# Altium PCB 2019.06.16.master.PcbDoc (part 1 of 5) (continued)
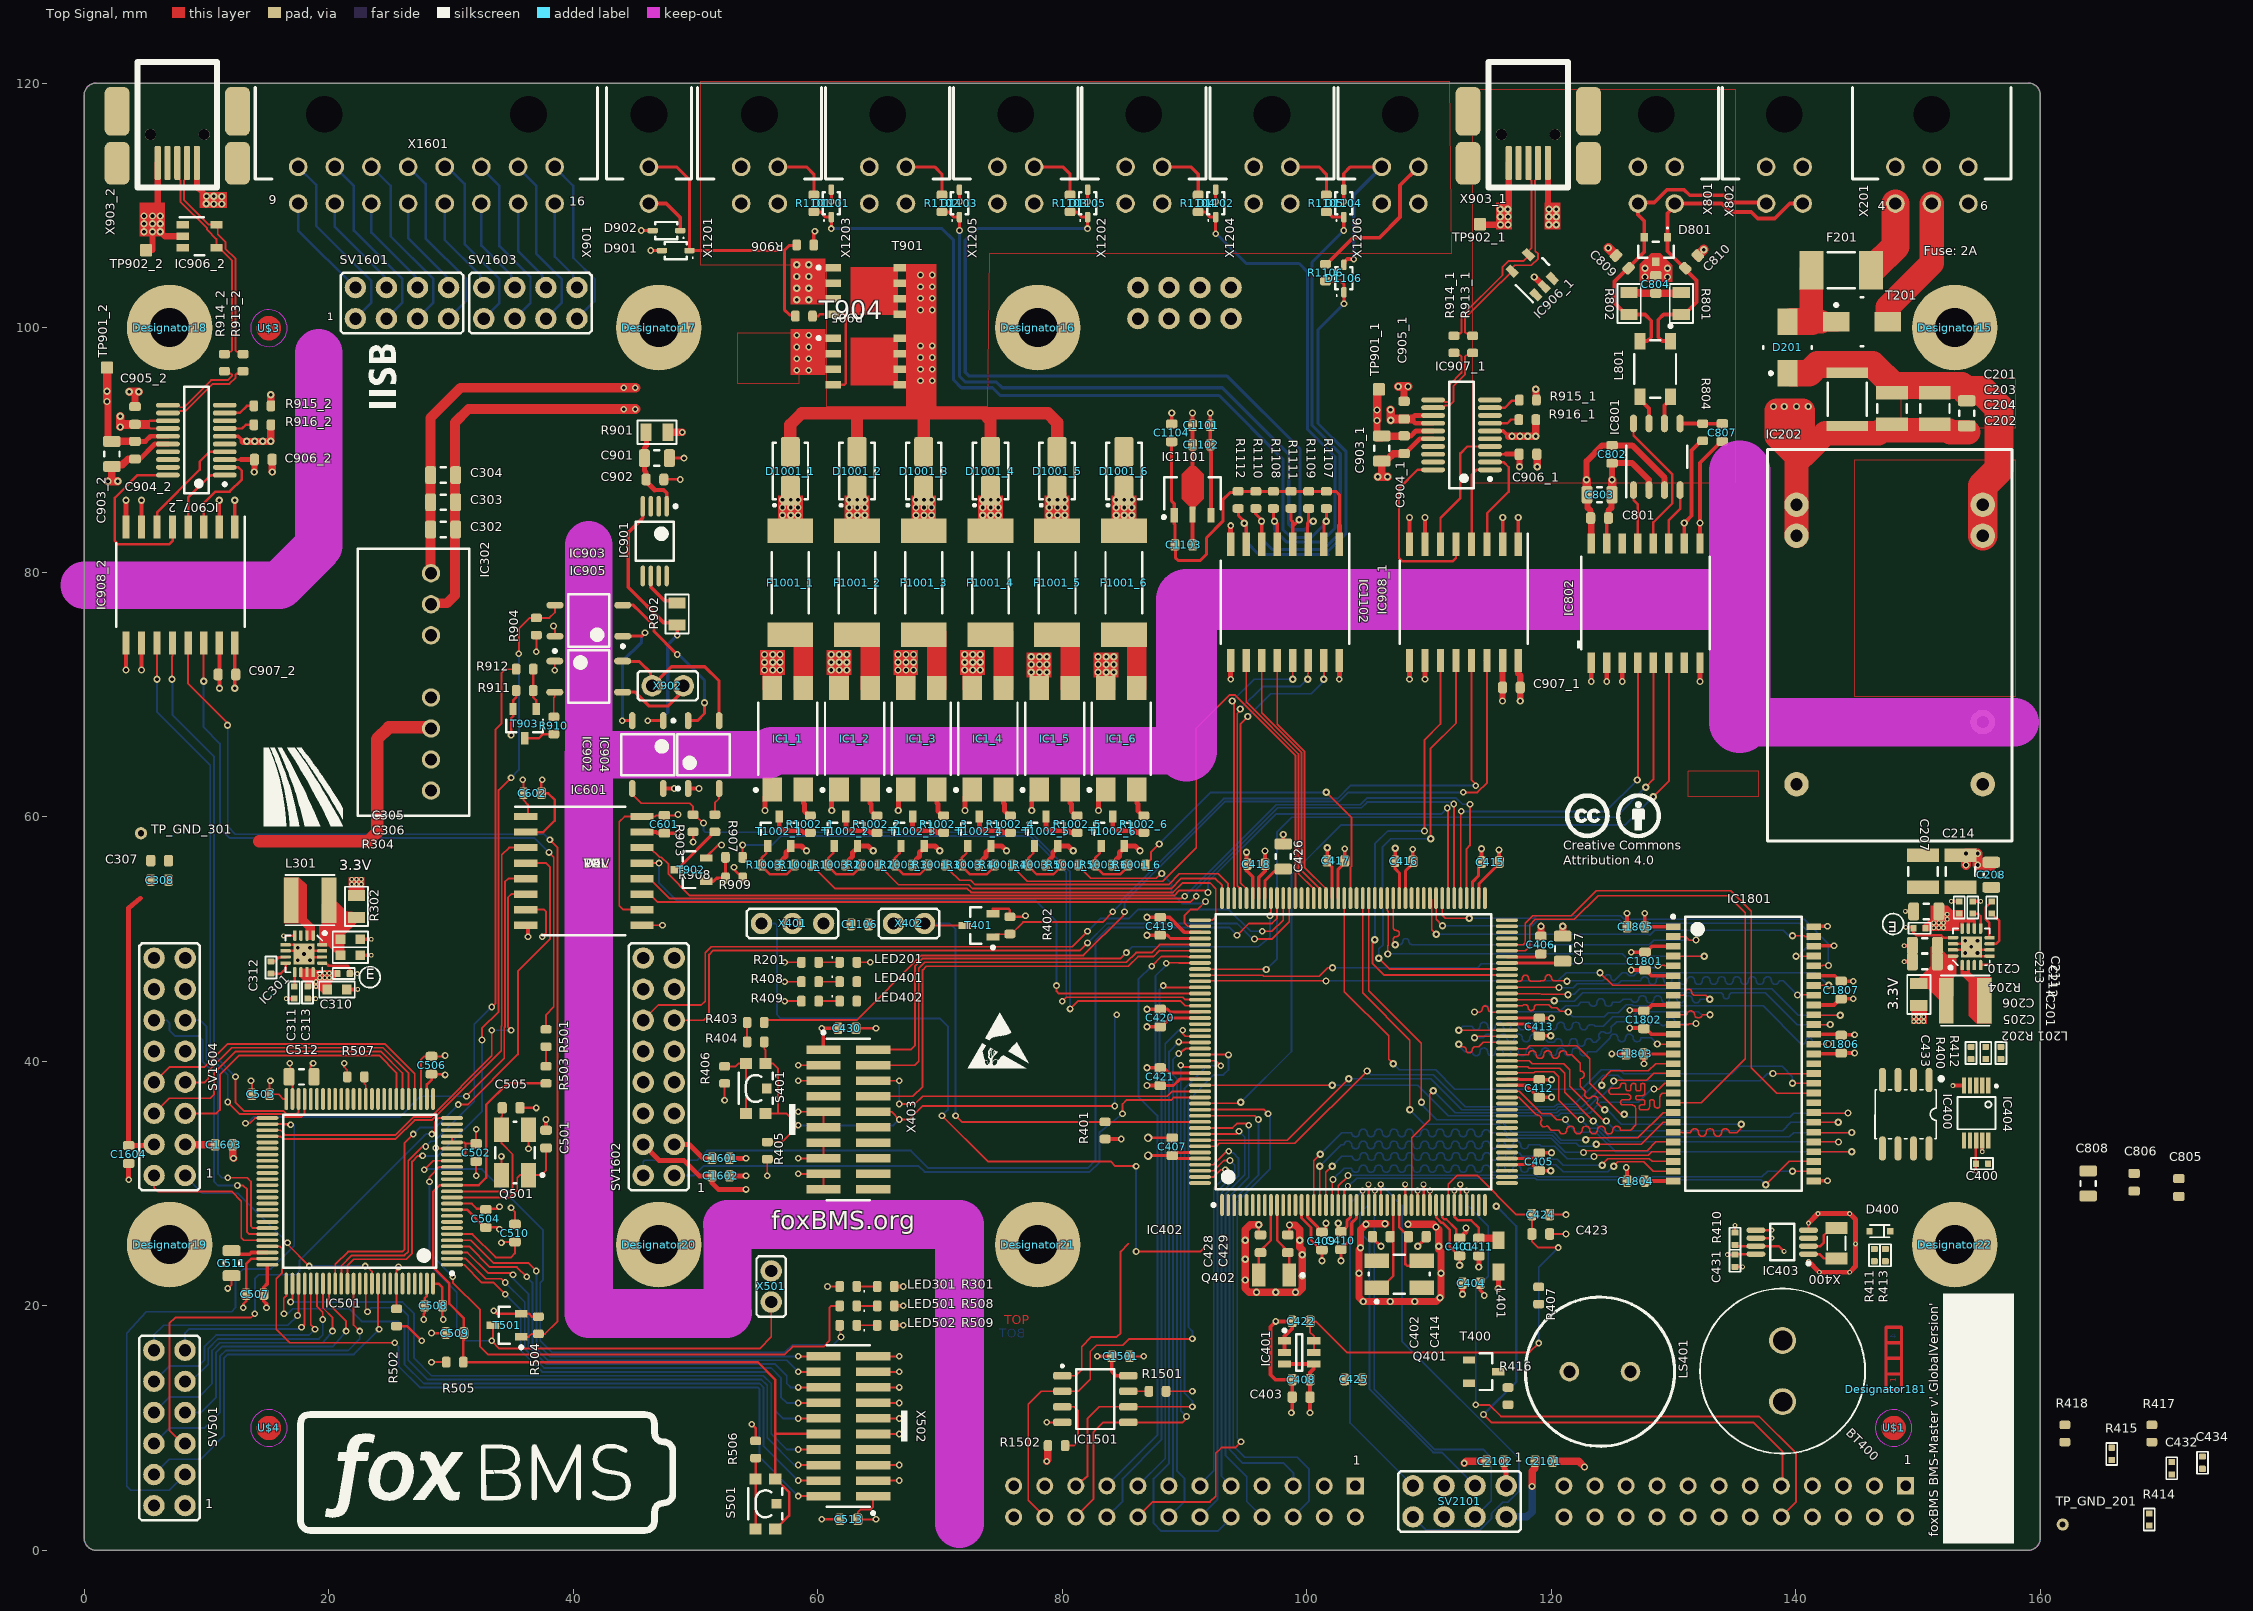
[diagram p0: Top Signal view]
## Classes and differential pairs
differential pair class USB_DP: D_1 D_2 U_1 U_2
channel class contactor_single: CON0 CON1 CON2 CON3 CON4 CON5
component class CON5: D1001_6 F1001_6 IC1_6 R1001_6 R1002_6 R1003_6 T1002_6
component class CON4: D1001_5 F1001_5 IC1_5 R1001_5 R1002_5 R1003_5 T1002_5
component class CON3: D1001_4 F1001_4 IC1_4 R1001_4 R1002_4 R1003_4 T1002_4
component class CON2: D1001_3 F1001_3 IC1_3 R1001_3 R1002_3 R1003_3 T1002_3
component class CON1: D1001_2 F1001_2 IC1_2 R1001_2 R1002_2 R1003_2 T1002_2
component class CON0: D1001_1 F1001_1 IC1_1 R1001_1 R1002_1 R1003_1 T1002_1
channel class isolated_usb_single: USB0 USB1
component class USB1: C903_2 C904_2 C905_2 C906_2 C907_2 IC906_2 IC907_2 IC908_2 R913_2 R914_2 R915_2 R916_2 TP901_2 TP902_2 X903_2
component class USB0: C903_1 C904_1 C905_1 C906_1 C907_1 IC906_1 IC907_1 IC908_1 R913_1 R914_1 R915_1 R916_1 TP901_1 TP902_1 X903_1
net class FMC.UDQ: FMC_MCU_0_RAM_D0 FMC_MCU_0_RAM_D1 FMC_MCU_0_RAM_D2 FMC_MCU_0_RAM_D3 FMC_MCU_0_RAM_D4 FMC_MCU_0_RAM_D5 FMC_MCU_0_RAM_D6 FMC_MCU_0_RAM_D7 FMC_MCU_0_RAM_D8 FMC_MCU_0_RAM_D9 FMC_MCU_0_RAM_D10 FMC_MCU_0_RAM_D11 FMC_MCU_0_RAM_D12 FMC_MCU_0_RAM_D13 FMC_MCU_0_RAM_D14 FMC_MCU_0_RAM_D15
net class FMC.SDRAM: FMC_MCU_0_RAM_A0 FMC_MCU_0_RAM_A1 FMC_MCU_0_RAM_A2 FMC_MCU_0_RAM_A3 FMC_MCU_0_RAM_A4 FMC_MCU_0_RAM_A5 FMC_MCU_0_RAM_A6 FMC_MCU_0_RAM_A7 FMC_MCU_0_RAM_A8 FMC_MCU_0_RAM_A9 FMC_MCU_0_RAM_A10 FMC_MCU_0_RAM_A11 FMC_MCU_0_RAM_BA0 FMC_MCU_0_RAM_BA1 FMC_MCU_0_RAM_D0 FMC_MCU_0_RAM_D1 FMC_MCU_0_RAM_D2 FMC_MCU_0_RAM_D3 FMC_MCU_0_RAM_D4 FMC_MCU_0_RAM_D5 FMC_MCU_0_RAM_D6 FMC_MCU_0_RAM_D7 FMC_MCU_0_RAM_D8 FMC_MCU_0_RAM_D9 FMC_MCU_0_RAM_D10 FMC_MCU_0_RAM_D11 FMC_MCU_0_RAM_D12 FMC_MCU_0_RAM_D13 FMC_MCU_0_RAM_D14 FMC_MCU_0_RAM_D15 FMC_MCU_0_RAM_NBL0 FMC_MCU_0_RAM_NBL1 FMC_MCU_0_RAM_SDCKE1 FMC_MCU_0_RAM_SDCLK FMC_MCU_0_RAM_SDNCAS FMC_MCU_0_RAM_SDNE1 FMC_MCU_0_RAM_SDNRAS FMC_MCU_0_RAM_SDNWE
net class FMC.LDQ: FMC_MCU_0_RAM_D0 FMC_MCU_0_RAM_D1 FMC_MCU_0_RAM_D2 FMC_MCU_0_RAM_D3 FMC_MCU_0_RAM_D4 FMC_MCU_0_RAM_D5 FMC_MCU_0_RAM_D6 FMC_MCU_0_RAM_D7 FMC_MCU_0_RAM_D8 FMC_MCU_0_RAM_D9 FMC_MCU_0_RAM_D10 FMC_MCU_0_RAM_D11 FMC_MCU_0_RAM_D12 FMC_MCU_0_RAM_D13 FMC_MCU_0_RAM_D14 FMC_MCU_0_RAM_D15
net class FMC.DQM: FMC_MCU_0_RAM_D0 FMC_MCU_0_RAM_D1 FMC_MCU_0_RAM_D2 FMC_MCU_0_RAM_D3 FMC_MCU_0_RAM_D4 FMC_MCU_0_RAM_D5 FMC_MCU_0_RAM_D6 FMC_MCU_0_RAM_D7 FMC_MCU_0_RAM_D8 FMC_MCU_0_RAM_D9 FMC_MCU_0_RAM_D10 FMC_MCU_0_RAM_D11 FMC_MCU_0_RAM_D12 FMC_MCU_0_RAM_D13 FMC_MCU_0_RAM_D14 FMC_MCU_0_RAM_D15
net class FMC.CNTRL: FMC_MCU_0_RAM_NBL0 FMC_MCU_0_RAM_NBL1 FMC_MCU_0_RAM_SDCKE1 FMC_MCU_0_RAM_SDCLK FMC_MCU_0_RAM_SDNE1
net class FMC.CMD: FMC_MCU_0_RAM_SDNCAS FMC_MCU_0_RAM_SDNRAS FMC_MCU_0_RAM_SDNWE
net class FMC.ADR: FMC_MCU_0_RAM_A0 FMC_MCU_0_RAM_A1 FMC_MCU_0_RAM_A2 FMC_MCU_0_RAM_A3 FMC_MCU_0_RAM_A4 FMC_MCU_0_RAM_A5 FMC_MCU_0_RAM_A6 FMC_MCU_0_RAM_A7 FMC_MCU_0_RAM_A8 FMC_MCU_0_RAM_A9 FMC_MCU_0_RAM_A10 FMC_MCU_0_RAM_A11 FMC_MCU_0_RAM_BA0 FMC_MCU_0_RAM_BA1
net class ISO_MCU_USB: D_1_N D_1_P D_2_N D_2_P ISO_FTDI_DTR_1 ISO_FTDI_DTR_2 ISO_FTDI_RTS_1 ISO_FTDI_RTS_2 ISO_FTDI_RX_1 ISO_FTDI_RX_2 ISO_FTDI_TX_1 ISO_FTDI_TX_2 NetIC907_1_7 NetIC907_1_9 NetIC907_2_7 NetIC907_2_9 NetIC1401_1 NetIC1401_3 NetIC1402_5 NetIC1402_8 NetIC1402_10 NetIC1402_17 NetIC1402_18 NetIC1402_19 NetX1401_4 NetX1401_6 NetX1401_7 NetX1401_8 NetX1401_9 U_1_N U_1_P U_2_N U_2_P USB_+3.3V_1 USB_+3.3V_2 USB_GND_1 USB_GND_2 USB_VBUS_1 USB_VBUS_2
net class ISO_MCU: +3.3V_0 +3.3V_0_IN +3.3V_1 +5.0V_0 CAN_0_RX CAN_0_TRANS_STANDBY_CONTROL CAN_0_TX CAN_GND_INT EN_3.3_0 FQ_3.3_0 FTDI_MCU_0_DTR FTDI_MCU_0_RTS FTDI_MCU_0_RX FTDI_MCU_0_TX FTDI_MCU_1_DTR FTDI_MCU_1_RTS FTDI_MCU_1_RX FTDI_MCU_1_TX GND_1 MCU_0_NRESET MCU_TO_MCU_INTERFACE_MCU_0_CS MCU_TO_MCU_INTERFACE_MCU_0_MISO MCU_TO_MCU_INTERFACE_MCU_0_MOSI MCU_TO_MCU_INTERFACE_MCU_0_SCK NetC211_1 NetC212_1 NetC212_2 NetIC201_1 NetIC802_4 NetIC802_6 NetLED201_1
net class ISO_MCU_SEC: +3.3V_1 BMS-INTERFACE_1_GPIO_0 BMS-INTERFACE_1_GPIO_1 BMS-INTERFACE_1_GPIO_2 BMS-INTERFACE_1_GPIO_3 BMS-INTERFACE_1_SPI_CS BMS-INTERFACE_1_SPI_MISO BMS-INTERFACE_1_SPI_MOSI BMS-INTERFACE_1_SPI_SCK BOOT_0_MCU_1 CAN_0_MCU_1_RX CAN_0_MCU_1_TX DEBUG_LED_0_MCU_1 DEBUG_LED_1_MCU_1 FTDI_MCU_1_DTR FTDI_MCU_1_RTS FTDI_MCU_1_RX FTDI_MCU_1_TX GND_1 GPIO_MCU_1_0 GPIO_MCU_1_1 GPIO_MCU_1_2 GPIO_MCU_1_3 GPIO_MCU_1_4 GPIO_MCU_1_5 HSE_1_MCU_1 HSE_2_MCU_1 INTERLOCK_CONTROL_MCU_1 INTERLOCK_FEEDBACK_MCU_1 MCU_1_NRESET MCU_1_SWCLK MCU_1_SWDIO MCU_1_SWO MCU_1_TDI MCU_TO_MCU_INTERFACE_MCU_1_CS MCU_TO_MCU_INTERFACE_MCU_1_MISO MCU_TO_MCU_INTERFACE_MCU_1_MOSI MCU_TO_MCU_INTERFACE_MCU_1_SCK NetC511_1 NetC512_1 NetIC501_37 NetLED501_1 NetLED502_1 NetR501_1 NetR506_2 TRACECLK_MCU_1 TRACED0_MCU_1 TRACED1_MCU_1 TRACED2_MCU_1 TRACED3_MCU_1 USART_MCU_1_RX USART_MCU_1_TX
net class ISO_EXT: CAN_0_H CAN_0_H_INT CAN_0_ISO_RXD CAN_0_ISO_STB CAN_0_ISO_TXD CAN_0_L CAN_0_L_INT CAN_0_SPLIT CAN_0_VIO CAN_GND CAN_VCC GND_EXT_0 GND_EXT_2 NetD201_2 NetF201_1 NetIC702_6 NetX801_2 SUPPLY_EXT_0 SUPPLY_EXT_2
net class CAN_0: CAN_0_H CAN_0_H_INT CAN_0_ISO_RXD CAN_0_ISO_STB CAN_0_ISO_TXD CAN_0_L CAN_0_L_INT CAN_0_SPLIT CAN_0_VIO CAN_GND CAN_VCC NetX801_2
component class U_0405_ext_bootload_activation: R401 R402 T401 X402
component class U_0404_debug_LED: LED401 LED402 R408 R409
component class U_0403_crystals: C402 C414 C428 C429 Q401 Q402
component class U_0402_analog_supply_decoupling: C404 C411 L401
component class U_0401_adc_reference: C403 C408 C422 IC401
component class U_0400_power: BT400 C400 C401 C405 C406 C407 C409 C410 C412 C413 C415 C416 C417 C418 C419 C420 C421 C423 C424 C431 C432 C433 C434 D400 IC400 IC403 IC404 R400 R410 R411 R412 R413 X400
component class U_18_connector_to_BMS_extension: JP2201 JP2202
component class U_17_FPGA_SPI_interface: C2101 C2102 SV2101
component class U_16_8MB_SDRAM: C1801 C1802 C1803 C1804 C1805 C1806 C1807 IC1801
component class U_15_bms-interface_interface: C1601 C1602 C1603 C1604 SV1601 SV1602 SV1603 SV1604 X1601
component class U_14_EEPROM: C1501 IC1501 R1501 R1502
component class U_12_contactor_connectors: X1201 X1202 X1203 X1204 X1205 X1206
component class U_11_contactor_feedback: C1101 C1102 C1103 C1104 C1106 D1101 D1102 D1103 D1104 D1105 D1106 IC1101 IC1102 R1101 R1102 R1103 R1104 R1105 R1106 R1107 R1108 R1109 R1110 R1111 R1112
component class U_09_interlock_circuit: C901 C902 D901 D902 IC901 IC902 IC903 IC904 IC905 R901 R902 R903 R904 R905 R906 R907 R908 R909 R910 R911 R912 SV901 T901 T902 T903 T904 X901 X902
component class U_08_CAN0: C801 C802 C803 C804 C805 C806 C807 C808 C809 C810 D801 IC801 IC802 L801 R801 R802 R804 X801 X802
component class U_06_mcu0_to_mcu1_isolated_SPI: C601 C602 IC601
component class U_05_mcu1_secondary: C501 C502 C503 C504 C505 C506 C507 C508 C509 C510 C511 C512 C513 IC501 LED501 LED502 Q501 R501 R502 R503 R504 R505 R506 R507 R508 R509 S501 SV501 T501 X501 X502
component class U_04_mcu0_primary: C425 C426 C427 C430 IC402 LS401 R403 R404 R405 R406 R407 R414 R415 R416 R417 R418 S401 T400 X401 X403
component class U_03_supply1: C302 C303 C304 C305 C306 C307 C308 C310 C311 C312 C313 IC301 IC302 L301 LED301 R301 R302 R304 TP_GND_301
component class U_02_supply0: C201 C202 C204 C205 C206 C207 C208 C210 C211 C212 C213 C214 D201 F201 IC201 IC202 L201 LED201 R201 R202 R204 T201 TP_GND_201 X201
net class BMS-INTERFACE_1_GPIO_[0..3]: BMS-INTERFACE_1_GPIO_0 BMS-INTERFACE_1_GPIO_1 BMS-INTERFACE_1_GPIO_2 BMS-INTERFACE_1_GPIO_3
net class BMS-INTERFACE_0_GPIO_[0..3]: BMS-INTERFACE_0_GPIO_0 BMS-INTERFACE_0_GPIO_1 BMS-INTERFACE_0_GPIO_2 BMS-INTERFACE_0_GPIO_3
net class ADC_MCU_0_CH_[0..4]: ADC_MCU_0_CH_0 ADC_MCU_0_CH_1 ADC_MCU_0_CH_2 ADC_MCU_0_CH_3 ADC_MCU_0_CH_4
net class FMC_MCU_0_RAM_NBL[0..1]: FMC_MCU_0_RAM_NBL0 FMC_MCU_0_RAM_NBL1
net class FMC_MCU_0_RAM_D[0..15]: FMC_MCU_0_RAM_D0 FMC_MCU_0_RAM_D1 FMC_MCU_0_RAM_D2 FMC_MCU_0_RAM_D3 FMC_MCU_0_RAM_D4 FMC_MCU_0_RAM_D5 FMC_MCU_0_RAM_D6 FMC_MCU_0_RAM_D7 FMC_MCU_0_RAM_D8 FMC_MCU_0_RAM_D9 FMC_MCU_0_RAM_D10 FMC_MCU_0_RAM_D11 FMC_MCU_0_RAM_D12 FMC_MCU_0_RAM_D13 FMC_MCU_0_RAM_D14 FMC_MCU_0_RAM_D15
net class FMC_MCU_0_RAM_BA[0..1]: FMC_MCU_0_RAM_BA0 FMC_MCU_0_RAM_BA1
net class FMC_MCU_0_RAM_A[0..11]: FMC_MCU_0_RAM_A0 FMC_MCU_0_RAM_A1 FMC_MCU_0_RAM_A2 FMC_MCU_0_RAM_A3 FMC_MCU_0_RAM_A4 FMC_MCU_0_RAM_A5 FMC_MCU_0_RAM_A6 FMC_MCU_0_RAM_A7 FMC_MCU_0_RAM_A8 FMC_MCU_0_RAM_A9 FMC_MCU_0_RAM_A10 FMC_MCU_0_RAM_A11
polygon class PolygonThermal_OFF: GND_EXT_0_L02_P055 Polygon_1_Net_+3.3V_0 Polygon_1_Net_+3.3V_1 Polygon_1_Net_CONTACTORS_COMMON_NEG Polygon_1_Net_GND_0 Polygon_1_Net_GND_1 Polygon_1_Net_GND_EXT_2 Polygon_1_Net_N$16 Polygon_1_Net_SUPPLY_EXT_0 Polygon_1_Net_SUPPLY_EXT_2 Polygon_2_Net_GND_EXT_2 Polygon_2_Net_N$16 Polygon_2_Net_SUPPLY_EXT_0 Polygon_2_Net_SUPPLY_EXT_2 Polygon_3_Net_GND_0 Polygon_3_Net_GND_EXT_0
pad class SMDSolder_OFF: IC1101-2 T901-2 T901-4 T901-S
pad class SMDPaste_OFF: IC1101-2 T901-1 T901-2 T901-3 T901-4 T901-D T901-G T901-S
differential pair U_2: +U_2_P -U_2_N
differential pair U_1: +U_1_P -U_1_N
differential pair D_2: +D_2_P -D_2_N
differential pair D_1: +D_1_P -D_1_N

## Components (designator, comment, footprint, x,y, rotation, side; value= is the part's Value field where it differs from the comment)
BT400 "330m" KW-5R5C 138.913,14.656 r270 top
C201 "GRM43ER61A476KE19L" CAPC4532X270X30LL40 144.196,94.122 r90 top
C202 "100n/50V" CAPC2012X14N 153.975,92.989 r270 top
C203 "12105C106KAT2A" CAPC3225X279X50LL20T25 147.865,93.38 r90 top
C204 "12105C106KAT2A" CAPC3225X279X50LL20T25 151.368,93.38 r90 top
C205 "10u" CAPC2012X14N 150.556,48.147 r180 top
C206 "10u" CAPC2012X14N 150.556,49.447 r180 top
C207 "12105C106KAT2A" CAPC3225X279X50LL20T25 150.406,55.524 r270 top
C208 "2u2/50V" CAPC2012X14N 155.986,55.245 r90 top
C210 "10u" CAPC2012X14N 150.665,52.247 r180 top
C211 "10n" 0402C 154.47,52.573 r90 top
C212 "10n" 0402C 156.021,52.573 r90 top
C213 "1u" 0402C 153.37,52.573 r90 top
C214 "12105C106KAT2A" CAPC3225X279X50LL20T25 153.467,55.524 r270 top
C302 "2u2/50V" CAPC2012X14N 29.369,83.488 r180 top locked
C303 "2u2/50V" CAPC2012X14N 29.369,85.71 r180 top locked
C304 "2u2/50V" CAPC2012X14N 29.369,87.933 r180 top
C305 "10u" 0603C 21.783,49.968 r0 top
C306 "10u" 0603C 21.783,48.668 r0 top
C307 "1u/35V" CAPC1608X08N 6.179,56.398 r0 top
C308 "100n/50V" CAPC1608X08N 6.179,54.811 r0 top
C310 "10u" 0603C 20.683,45.868 r0 top
C311 "10n" 0402C 17.183,45.618 r270 top
C312 "10n" 0402C 15.283,47.668 r270 top
C313 "1u" 0402C 18.283,45.618 r270 top
C400 "100n" 0402C 155.231,31.618 r180 top
C401 "100n/50V" CAPC1608X08N 112.499,24.807 r90 top
C402 "18p/50V" CAPC1608X08N 106.096,25.654 r0 top locked
C403 "1u/35V" CAPC1608X08N 99.536,12.526 r180 top
C404 "100n/50V" CAPC1608X08N 113.456,21.844 r180 top
C405 "100n/50V" CAPC1608X08N 119.024,31.775 r270 top
C406 "100n/50V" CAPC1608X08N 119.151,49.505 r90 top
C407 "100n/50V" CAPC1608X08N 88.99,33.005 r90 top
C408 "100n/50V" CAPC1608X08N 99.536,13.955 r180 top
C409 "100n/50V" CAPC1608X08N 101.244,25.285 r270 top
C410 "100n/50V" CAPC1608X08N 102.794,25.324 r90 top
C411 "100n/50V" CAPC1608X08N 114.073,24.805 r270 top locked
C412 "100n/50V" CAPC1608X08N 119.024,37.77 r270 top
C413 "100n/50V" CAPC1608X08N 119.024,42.796 r270 top
C414 "18p/50V" CAPC1608X08N 109.042,25.654 r0 top locked
C415 "100n/50V" CAPC1608X08N 115.018,56.288 r0 top
C416 "100n/50V" CAPC1608X08N 107.95,56.341 r0 top
C417 "100n/50V" CAPC1608X08N 102.387,56.388 r0 top
C418 "100n/50V" CAPC1608X08N 95.86,56.109 r0 top
C419 "100n/50V" CAPC1608X08N 88.011,51.034 r90 top
C420 "100n/50V" CAPC1608X08N 88.011,43.534 r90 top
C421 "100n/50V" CAPC1608X08N 88.011,38.735 r90 top
C422 "100n/50V" CAPC1608X08N 99.536,18.718 r180 top
C423 "1u/35V" CAPC1608X08N 119.137,25.865 r0 top locked
C424 "100n/50V" CAPC1608X08N 119.137,27.453 r0 top
C425 "100n/50V" CAPC1608X08N 103.822,13.97 r0 top
C426 "2u2/50V" CAPC2012X14N 98.072,56.734 r90 top
C427 "2u2/50V" CAPC2012X14N 120.929,49.2 r90 top
C428 "18p/50V" CAPC1608X08N 96.215,25.07 r270 top locked
C429 "18p/50V" CAPC1608X08N 98.45,25.07 r90 top locked
C430 "100n/50V" CAPC1608X08N 62.389,42.689 r0 top
C431 "100n" 0402C 135.024,23.681 r270 top
C432 "100n" 0402C 170.739,6.706 r90 top
C433 "10n" 0402C 154.332,40.675 r270 top
C434 "10n" 0402C 173.253,7.163 r90 top
C501 "18p/50V" CAPC1608X08N 37.782,33.63 r270 top locked
C502 "100n/50V" CAPC1608X08N 32.067,32.529 r270 top
C503 "100n/50V" CAPC1608X08N 14.446,37.291 r180 top
C504 "100n/50V" CAPC1608X08N 32.861,27.131 r270 top
C505 "18p/50V" CAPC1608X08N 34.925,36.18 r0 top locked
C506 "100n/50V" CAPC1608X08N 28.416,39.673 r270 top
C507 "100n/50V" CAPC1608X08N 13.97,20.94 r180 top
C508 "100n/50V" CAPC1608X08N 28.575,19.988 r180 top
C509 "100n/50V" CAPC1608X08N 30.321,17.765 r180 top
C510 "100n/50V" CAPC1608X08N 35.242,25.941 r90 top
C511 "2u2/50V" CAPC2012X14N 12.065,23.48 r270 top locked
C512 "2u2/50V" CAPC2012X14N 17.78,38.72 r0 top locked
C513 "100n/50V" CAPC1608X08N 62.547,2.525 r180 top
C601 "100n/50V" CAPC1608X08N 47.466,59.377 r90 top
C602 "100n/50V" CAPC1608X08N 36.671,61.917 r0 top
C801 "1u/35V" CAPC1608X08N 123.944,84.425 r180 top
C802 "100n/50V" CAPC1608X08N 124.969,89.637 r90 top
C803 "10u/50V" CAPC2012X14N 123.944,86.333 r0 top
C804 "4700p/50V" CAPC1608X08N 128.549,103.53 r270 top
C805 "100n/50V" CAPC1608X08N 171.323,29.667 r90 top
C806 "1u/35V" CAPC1608X08N 167.665,30.099 r90 top
C807 "100n/50V" CAPC1608X08N 133.985,91.415 r90 top
C808 "10u/50V" CAPC2012X14N 163.906,29.997 r90 top
C809 "68p/50V" CAPC1608X08N 125.806,105.375 r315 top
C810 "68p/50V" CAPC1608X08N 131.47,105.375 r45 top
C901 "2u2/50V" CAPC2012X14N 46.85,89.323 r0 top locked
C902 "100n/50V" CAPC1608X08N 46.692,87.577 r0 top locked
C903_1 "4u7/50V" CAPC2012X14N 106.133,90.119 r270 top (schematic designator C903)
C903_2 "4u7/50V" CAPC2012X14N 2.273,89.662 r270 top (schematic designator C903)
C904_1 "100n/50V" CAPC1608X08N 107.959,90.424 r270 top (schematic designator C904)
C904_2 "100n/50V" CAPC1608X08N 4.166,89.967 r270 top (schematic designator C904)
C905_1 "100n/50V" CAPC1608X08N 107.959,93.247 r90 top (schematic designator C905)
C905_2 "100n/50V" CAPC1608X08N 4.166,92.812 r90 top (schematic designator C905)
C906_1 "100n/50V" CAPC1608X08N 118.087,89.637 r0 top (schematic designator C906)
C906_2 "100n/50V" CAPC1608X08N 14.656,89.205 r0 top (schematic designator C906)
C907_1 "100n/50V" CAPC1608X08N 116.738,70.561 r180 top locked (schematic designator C907)
C907_2 "100n/50V" CAPC1608X08N 11.684,71.628 r180 top (schematic designator C907)
C1101 "1u/35V" CAPC1608X08N 91.386,91.999 r180 top
C1102 "100n/50V" CAPC1608X08N 91.386,90.424 r180 top
C1103 "100n/50V" CAPC1608X08N 89.936,82.224 r0 top
C1104 "100n/50V" CAPC1608X08N 88.951,91.389 r90 top
C1106 "100n/50V" CAPC1608X08N 63.449,51.181 r0 top
C1501 "100n/50V" CAPC1608X08N 84.772,15.86 r180 top
C1601 "100n/50V" CAPC1608X08N 52.07,32.053 r0 top
C1602 "100n/50V" CAPC1608X08N 52.07,30.624 r0 top locked
C1603 "100n/50V" CAPC1608X08N 11.43,33.164 r0 top
C1604 "100n/50V" CAPC1608X08N 3.651,32.37 r270 top
C1801 "100n/50V" CAPC1608X08N 127.66,48.184 r270 top
C1802 "100n/50V" CAPC1608X08N 127.575,43.383 r270 top
C1803 "100n/50V" CAPC1608X08N 126.826,40.596 r180 top
C1804 "100n/50V" CAPC1608X08N 126.92,30.196 r180 top
C1805 "100n/50V" CAPC1608X08N 126.92,50.996 r180 top
C1806 "100n/50V" CAPC1608X08N 143.711,41.389 r270 top
C1807 "100n/50V" CAPC1608X08N 143.711,45.822 r270 top
C2101 "100n/50V" CAPC1608X08N 119.38,7.288 r180 top
C2102 "100n/50V" CAPC1608X08N 115.411,7.288 r180 top locked
D201 "gen_d_schottky_3A_smb" SMB 139.319,98.374 r90 top
D400 "NF" NF_SOD-523 146.87,26.095 r0 top
D801 "PESD1CAN" NXP-SOT23-3_V 128.549,106.375 r0 top
D901 "MM3Z12VT1G" SODFL250X110-2N 48.387,106.299 r180 top
D902 "MM3Z12VT1G" SODFL250X110-2N 47.625,107.935 r180 top
D1001_1 "d_si_sma_1A" DIOM4326X24N 57.76,88.265 r90 top (schematic designator D1001)
D1001_2 "d_si_sma_1A" DIOM4326X24N 63.216,88.265 r90 top (schematic designator D1001)
D1001_3 "d_si_sma_1A" DIOM4326X24N 68.672,88.265 r90 top (schematic designator D1001)
D1001_4 "d_si_sma_1A" DIOM4326X24N 74.128,88.265 r90 top (schematic designator D1001)
D1001_5 "d_si_sma_1A" DIOM4326X24N 79.584,88.265 r90 top (schematic designator D1001)
D1001_6 "d_si_sma_1A" DIOM4326X24N 85.04,88.265 r90 top (schematic designator D1001)
D1101 "CDSOD323-T05" SODFL250X110-2N 61.119,110.158 r90 top
D1102 "CDSOD323-T05" SODFL250X110-2N 92.551,110.158 r90 top
D1103 "CDSOD323-T05" SODFL250X110-2N 71.596,110.158 r90 top
D1104 "CDSOD323-T05" SODFL250X110-2N 103.029,110.158 r90 top
D1105 "CDSOD323-T05" SODFL250X110-2N 82.074,110.158 r90 top
D1106 "CDSOD323-T05" SODFL250X110-2N 103.041,104.017 r90 top
Designator15 "Comment" Hole_3.2_Iso#1 153,100 r0 top locked
Designator16 "Comment" Hole_3.2_Iso#2 78,100 r0 top locked
Designator17 "Comment" Hole_3.2_Iso#3 47,100 r0 top locked
Designator18 "Comment" Hole_3.2_Iso#4 7,100 r0 top locked
Designator19 "Comment" Hole_3.2_Iso#5 7,25 r0 top locked
Designator20 "Comment" Hole_3.2_Iso#6 47,25 r0 top locked
Designator21 "Comment" Hole_3.2_Iso#7 78,25 r0 top locked
Designator22 "Comment" Hole_3.2_Iso#8 153,25 r0 top locked
Designator181 "Comment" layermarker4 147.365,13.161 r90 top
F201 "fuse_2A_0452002.MRL" LITTLEFUSE_452_454 143.713,104.699 r180 top
F1001_1 "fuse_4A_3403.0172.11" Schurter_UMT_250 57.76,79.121 r90 top (schematic designator F1001)
F1001_2 "fuse_4A_3403.0172.11" Schurter_UMT_250 63.216,79.121 r90 top (schematic designator F1001)
F1001_3 "fuse_4A_3403.0172.11" Schurter_UMT_250 68.672,79.121 r90 top (schematic designator F1001)
F1001_4 "fuse_4A_3403.0172.11" Schurter_UMT_250 74.128,79.121 r90 top (schematic designator F1001)
F1001_5 "fuse_4A_3403.0172.11" Schurter_UMT_250 79.584,79.121 r90 top (schematic designator F1001)
F1001_6 "fuse_4A_3403.0172.11" Schurter_UMT_250 85.04,79.121 r90 top (schematic designator F1001)
IC1_1 "AQY212GHA" PNSC-DIP4(SMT)_V 57.556,66.37 r90 top (schematic designator IC1)
IC1_2 "AQY212GHA" PNSC-DIP4(SMT)_V 63.013,66.37 r90 top (schematic designator IC1)
IC1_3 "AQY212GHA" PNSC-DIP4(SMT)_V 68.469,66.37 r90 top (schematic designator IC1)
IC1_4 "AQY212GHA" PNSC-DIP4(SMT)_V 73.925,66.37 r90 top (schematic designator IC1)
IC1_5 "AQY212GHA" PNSC-DIP4(SMT)_V 79.381,66.37 r90 top (schematic designator IC1)
IC1_6 "AQY212GHA" PNSC-DIP4(SMT)_V 84.837,66.37 r90 top (schematic designator IC1)
IC201 "TPS62091" QFN-16-TI 154.356,49.347 r90 top
IC202 "NCS6S1205C" NCS6S1205C 147.676,74.016 r270 top
IC301 "TPS62091" QFN-16-TI 17.983,48.768 r270 top
IC302 "RS-xxxxS" RECOM_RS-S_D 22.375,81.91 r270 top
IC400 "24AA025E48" SO-8 148.988,35.662 r270 top
IC401 "ADR3425ARJZ-R2" ADI-RJ-6_N 99.377,16.178 r0 top locked
IC402 "STM32F429IIT6" STM-LQFP176_N 103.822,40.784 r90 top locked
IC403 "DS1339-U33" USOP-8 138.884,25.202 r180 top
IC404 "LTC2990" MSOP-10 154.746,35.759 r270 top
IC501 "STM32F429VIT6" STM-LQFP100_N 22.543,29.354 r180 top
IC601 "ISO7741DWR" DW0016B_N 40.878,55.567 r0 top locked value=Value